# Altium PCB Fastino-DIOT.PCBDOC (part 5 of 22)
Units mm, origin at the board's own origin, x right, y up, seen from the top; angles counter-clockwise.
Board outline 222.63 x 100.1 mm, 8 copper layers (L1, L2, L3, P4, L5, L6, P7, L8), stack 1.563 mm thick; 1030 components, 787 nets, 3312 pads, 2498 vias.
Unrouted connection lines stored in the file: 424.
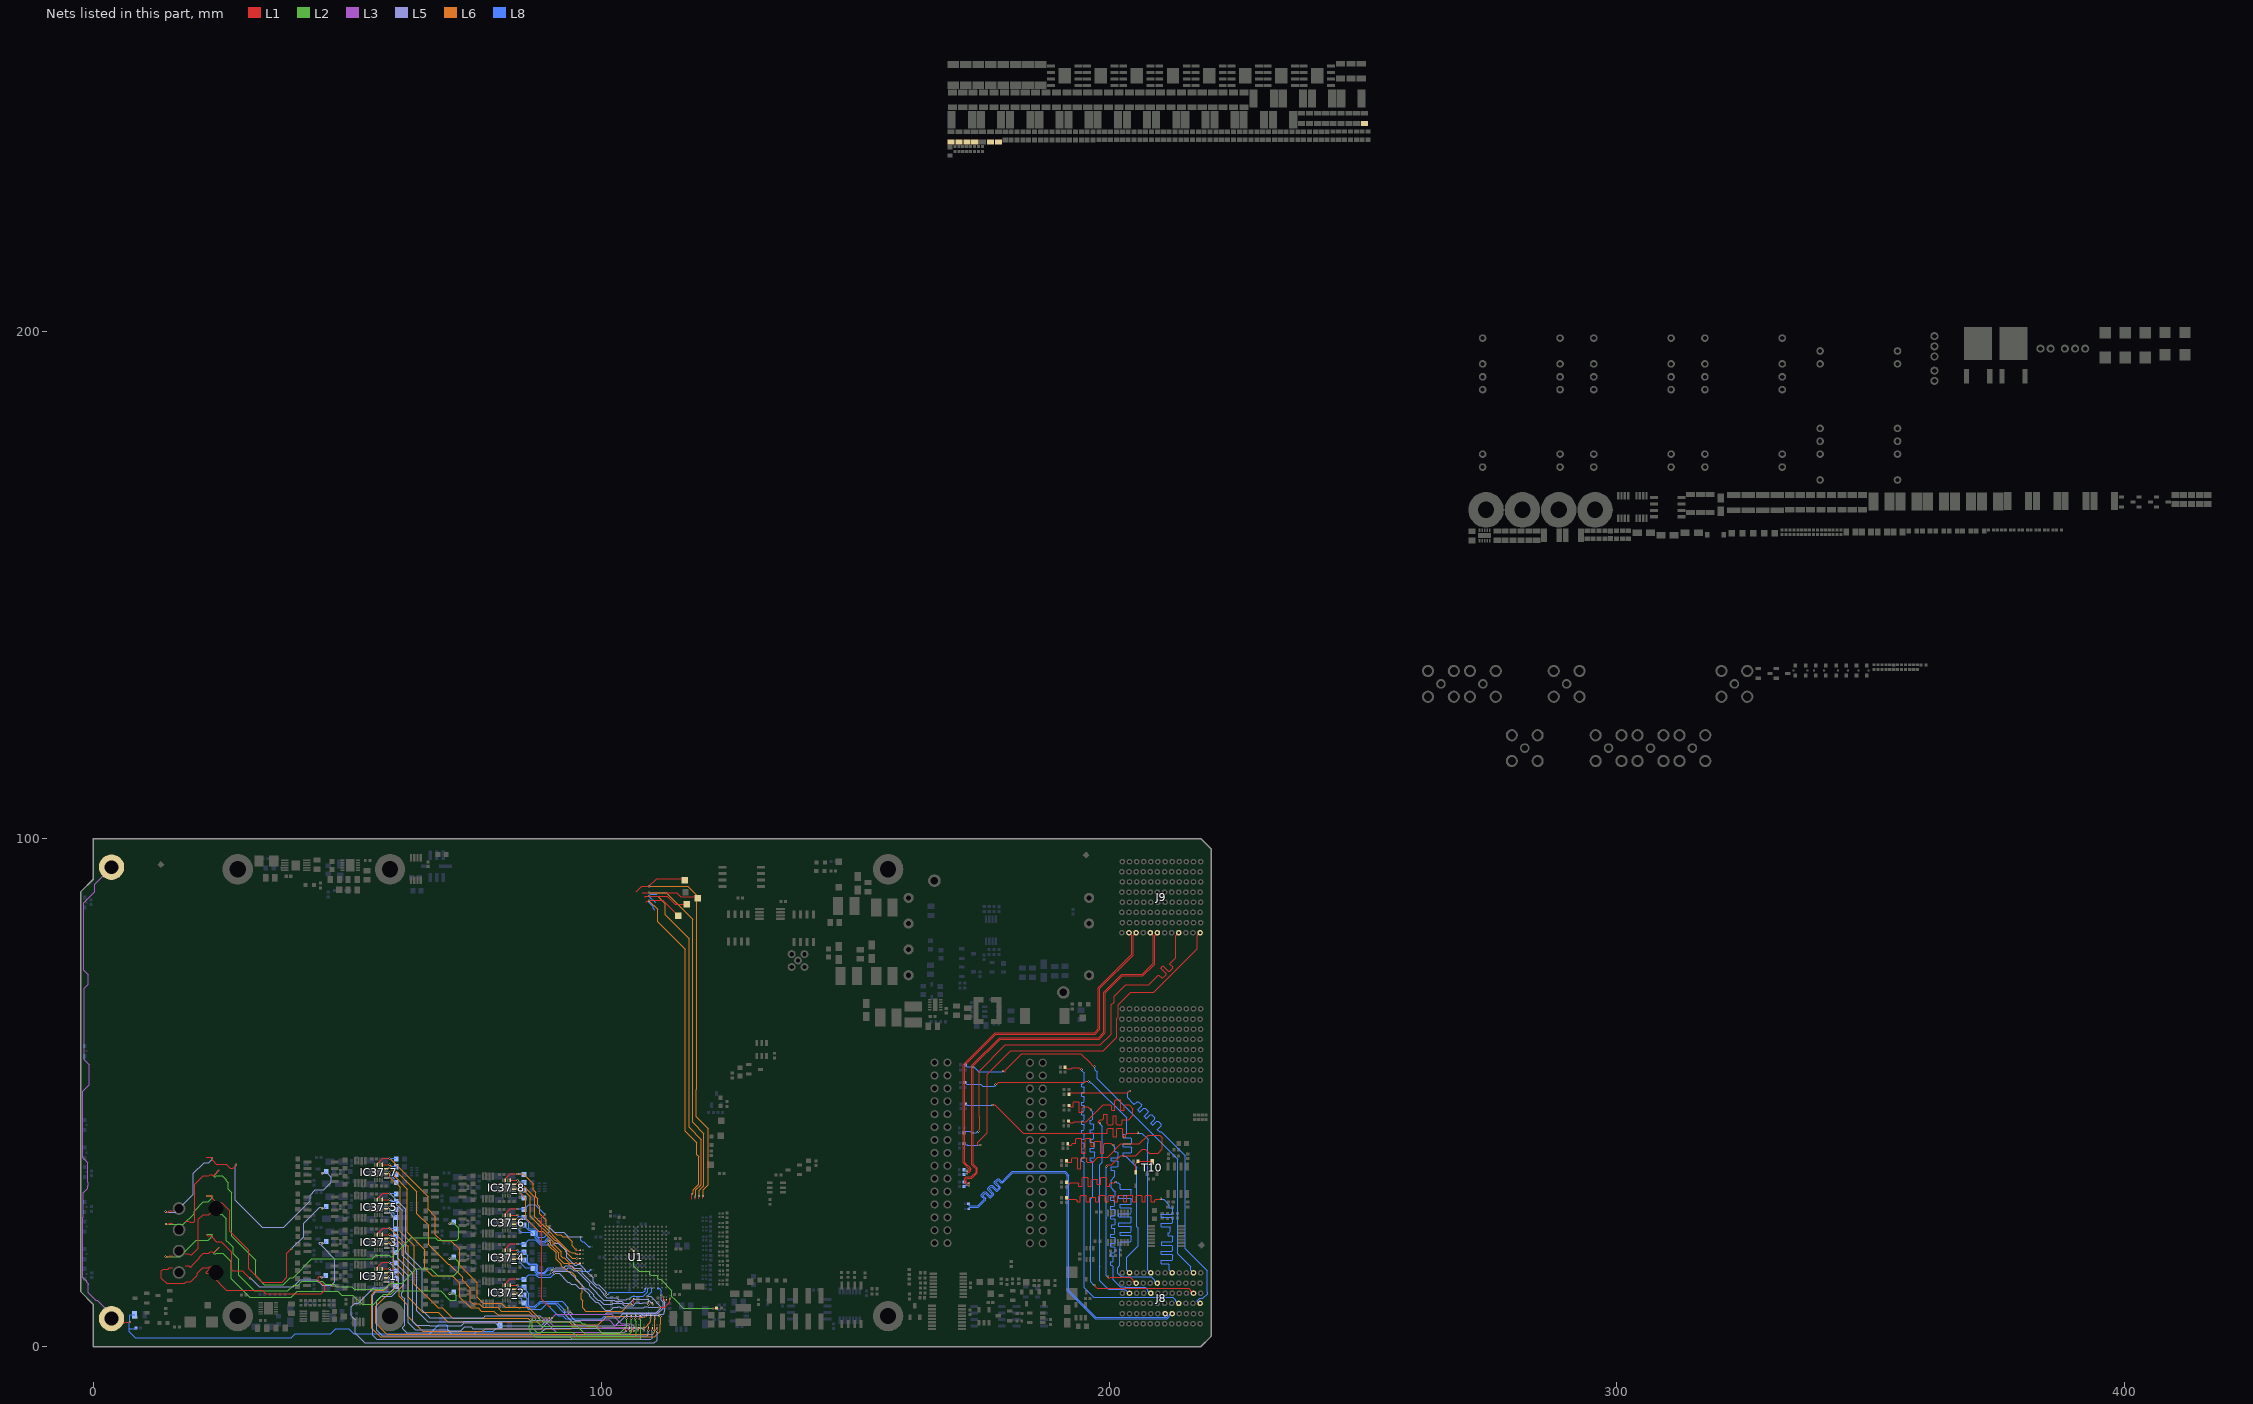
[diagram p11: the nets of this part, all layers, seen from the top]

## Via types
v1: diameter 0.4, hole 0.2, L1 to L8, tented both sides, 1919 vias
v2: diameter 0.5, hole 0.2, L1 to L8, tented both sides, 270 vias
v3: diameter 0.4, hole 0.2, L1 to L8, 170 vias
v4: diameter 0.7, hole 0.4, L1 to L8, tented both sides, 110 vias
v5: diameter 0.7, hole 0.4, L1 to L8, 29 vias

## Nets (pads, with @x,y where several pads share a name; then routed paths per layer and width w, separated by ;. In a path a pad name is that pad's centre, name@x,y a point inside that pad or via, vN(x,y) a via of type N, cw(c..) or ccw(c..) an arc to the next point about the centre after c; other vN are vias at no path point) (continued)
BP_IO.LVDS_N13: J9.K1 R265.1 | length 73.9
  L1 w0.127: v1(172.034,34.623) 172.052,34.606 172.35,34.606 172.484,34.74 ; 172.49,34.735 172.49,34.966 171.347,36.109 171.347,36.115 171.266,36.196 171.266,55.506 177.583,61.824 197.18,61.824 197.917,62.56 197.917,70.637 204.499,77.22 204.499,80.677 204.499,80.94 J9.K1@203.939,81.5
  L8 w0.127: R265.1@171.45,34.82 171.647,34.623 v1(172.034,34.623)
BP_IO.LVDS_N14: J9.H1 R266.1 | length 82
  L1 w0.127: v1(172.415,31.687) 172.363,31.739 172.176,31.739 171.631,32.284 171.631,33.14 171.92,33.43 172.876,33.43 173.812,34.366 173.812,35.012 173.386,35.439 172.994,35.831 172.994,55.38 178.446,60.833 197.942,60.833 198.984,61.874 198.984,69.788 202.525,73.33 206.578,73.33 208.699,75.451 208.699,80.703 208.699,80.94 J9.H1@208.139,81.5
  L8 w0.127: R266.1@171.47,31.5 171.47,31.52 171.76,31.81 172.066,31.81 172.218,31.81 172.341,31.687 v1(172.415,31.687)
BP_IO.LVDS_N15: J8.F2 R267.2 | length 75.5
  L8 w0.127: R267.2@172.33,28.1 172.342,28.1 172.503,27.939 172.503,27.82 172.578,27.746 174.177,27.746 175.298,28.867 175.401,28.97 175.401,29.075 174.851,29.625 174.851,29.857 175.463,30.469 175.695,30.469 176.598,29.566 177.047,30.015 176.144,30.918 176.144,31.15 176.757,31.762 176.988,31.762 177.891,30.859 178.34,31.308 177.437,32.211 177.437,32.443 178.05,33.056 178.281,33.056 178.831,32.506 178.937,32.506 179.68,33.249 180.95,34.519 191.352,34.519 192.096,33.775 192.096,22.305 ; 192.085,22.295 192.085,11.104 195.346,7.843 195.445,7.744 197.429,5.76 211.345,5.76 211.599,6.013 211.599,6.118 211.217,6.5 J8.F2@211.039,6.5
BP_IO.LVDS_P0: J8.D3 R235.1 | length 73.7
  L1 w0.127: R235.1@191.37,55 191.37,54.98 191.66,54.69 192.562,54.69 192.754,54.882 194.113,54.882 194.358,54.637 194.533,54.637 v1(194.585,54.585)
  L8 w0.127: v1(194.585,54.585) 194.637,54.533 194.637,54.358 195.083,53.912 195.083,53.188 195.083,52.012 194.845,51.774 194.661,51.774 194.661,51.139 194.99,51.139 195.154,50.975 195.154,50.109 194.99,49.945 194.661,49.945 194.661,49.31 194.99,49.31 195.154,49.147 195.154,48.28 194.99,48.116 194.661,48.116 194.661,47.481 194.99,47.481 195.154,47.318 195.154,46.451 194.99,46.288 194.661,46.288 194.661,45.653 194.99,45.653 195.154,45.489 195.154,44.623 194.99,44.459 194.661,44.459 194.661,43.824 194.99,43.824 195.154,43.66 195.154,42.794 194.99,42.63 194.661,42.63 194.661,41.995 194.99,41.995 195.154,41.831 195.154,40.965 194.99,40.801 194.661,40.801 194.661,40.166 194.99,40.166 195.154,40.003 195.154,39.136 194.99,38.972 194.661,38.972 194.661,38.337 194.99,38.337 195.154,38.174 195.154,37.307 194.99,37.144 194.661,37.144 194.661,36.509 194.845,36.509 195.083,36.271 195.083,34.67 195.083,11.617 195.3,11.4 197.021,9.679 212.602,9.679 213.178,9.103 213.178,8.882 213.56,8.5 J8.D3@213.739,8.5
BP_IO.LVDS_P1: J8.A3 R236.1 | length 71.7
  L1 w0.127: R236.1@192.12,49.7 192.12,49.72 192.41,50.01 203.607,50.01 203.862,50.265 204.037,50.265 v1(204.089,50.317)
  L8 w0.127: v1(204.089,50.317) 204.037,50.265 203.862,50.265 203.646,50.049 203.646,48.957 204.559,48.044 204.662,47.941 204.912,47.691 205.017,47.691 205.567,48.241 205.798,48.241 206.411,47.629 206.411,47.397 205.619,46.605 206.068,46.156 206.86,46.948 207.092,46.948 207.704,46.336 207.704,46.104 206.912,45.312 207.361,44.863 208.153,45.655 208.385,45.655 208.997,45.042 208.997,44.811 208.205,44.019 208.654,43.57 209.446,44.362 209.678,44.362 210.291,43.749 210.291,43.518 209.498,42.726 209.947,42.277 209.969,42.298 210.305,42.298 210.387,42.216 210.49,42.113 215.062,37.541 215.062,19.242 219.393,14.911 219.393,10.669 219.406,10.656 219.406,10.425 218.461,9.48 217.872,9.48 217.378,8.987 217.378,8.882 217.76,8.5 J8.A3@217.939,8.5
BP_IO.LVDS_P2: J8.B4 R238.1 | length 70.1
  L1 w0.127: R238.1@192.12,47.5 192.12,47.48 192.41,47.19 192.71,47.19 192.855,47.19 192.93,47.264 192.93,48.042 193.093,48.206 193.96,48.206 194.123,48.042 194.123,46.174 194.758,46.174 194.758,46.952 194.996,47.19 195.651,47.19 195.81,47.19 196.26,46.74 196.435,46.74 v1(196.488,46.688) ; v1(197.135,12.135) 197.187,12.083 197.187,11.908 197.641,11.454 202.15,11.454 202.216,11.52 215.661,11.52 216.078,11.103 216.078,10.882 216.46,10.5 J8.B4@216.639,10.5
  L8 w0.127: v1(196.488,46.688) 196.54,46.635 196.54,46.46 196.785,46.215 196.785,45.771 196.785,44.765 196.547,44.527 196.309,44.527 196.309,43.892 196.801,43.892 196.964,43.728 196.964,42.862 196.801,42.698 196.309,42.698 196.309,42.063 196.8,42.063 196.964,41.9 196.964,41.033 196.8,40.869 196.309,40.869 196.309,40.234 196.953,40.234 197.116,40.071 197.116,39.204 196.953,39.041 196.309,39.041 196.309,38.406 197.072,38.406 197.235,38.242 197.235,37.376 197.072,37.212 196.309,37.212 196.309,36.577 196.547,36.577 196.785,36.339 196.785,36.078 196.785,29.548 196.36,29.123 196.36,12.736 196.908,12.187 197.083,12.187 v1(197.135,12.135)
BP_IO.LVDS_P3: J8.K4 R239.1 | length 74.9
  L1 w0.127: R239.1@192.03,44.39 192.03,44.37 192.321,44.079 192.913,44.079 193.123,44.29 195.52,44.29 198.83,47.6 199.517,47.6 200.291,47.6 200.529,47.362 200.529,46.584 201.164,46.584 201.164,48.452 201.328,48.616 202.194,48.616 202.358,48.452 202.358,46.584 202.993,46.584 202.993,47.362 203.231,47.6 203.492,47.6 203.976,47.6 204.724,46.852 204.724,45.553 203.875,44.704 203.56,44.704 202.719,44.704 202.645,44.63 202.645,43.852 202.481,43.688 201.615,43.688 201.451,43.852 201.451,45.491 200.816,45.491 200.816,43.852 200.652,43.688 199.786,43.688 199.622,43.852 199.622,45.72 198.987,45.72 198.987,44.942 198.749,44.704 198.488,44.704 198.296,44.704 197.992,44.4 197.971,44.4 197.864,44.293 197.864,44.157 197.976,44.045 198.169,44.045 v1(198.222,43.993)
  L8 w0.127: v1(198.222,43.993) 198.274,43.941 198.274,43.774 198.636,43.411 198.636,36.288 198.128,35.78 198.128,15.822 198.2,15.75 198.2,12.995 199.798,11.398 199.955,11.241 202.945,11.241 203.04,11.146 203.214,11.146 203.86,10.5 J8.K4@204.039,10.5
BP_IO.LVDS_P4: J8.H4 R240.1 | length 73.9
  L1 w0.127: R240.1@191.87,39.95 191.87,39.93 192.16,39.64 192.534,39.64 192.908,40.014 193.036,40.014 193.406,40.014 193.481,40.088 193.481,40.866 193.644,41.03 194.511,41.03 194.674,40.866 194.674,38.042 195.309,38.042 195.309,40.866 195.473,41.03 196.34,41.03 196.503,40.866 196.503,39.453 197.138,39.453 197.138,40.235 197.302,40.399 198.168,40.399 198.332,40.235 198.332,38.042 198.967,38.042 198.967,39.776 199.205,40.014 199.466,40.014 200.377,40.014 200.622,39.769 200.797,39.769 v1(200.849,39.717)
  L8 w0.127: v1(200.849,39.717) 200.902,39.664 200.902,39.489 201.147,39.244 201.147,38.633 201.147,38.488 201.221,38.414 201.626,38.414 201.79,38.25 201.79,37.384 201.626,37.22 200.428,37.22 200.428,36.585 201.626,36.585 201.79,36.421 201.79,35.555 201.626,35.391 200.428,35.391 200.428,34.756 200.909,34.756 201.147,34.518 201.147,33.652 201.147,33.547 200.398,32.798 200.398,31.298 200.8,30.895 200.8,30.874 200.8,30.729 200.874,30.654 201.045,30.654 201.209,30.491 201.209,29.624 201.045,29.461 200.358,29.461 200.358,28.826 200.998,28.826 201.161,28.662 201.161,27.795 200.998,27.632 200.358,27.632 200.358,26.997 201.045,26.997 201.209,26.833 201.209,25.967 201.045,25.803 200.358,25.803 200.358,25.168 201.045,25.168 201.209,25.004 201.209,24.138 201.045,23.974 200.503,23.974 200.503,23.339 201.011,23.339 201.175,23.176 201.175,22.309 201.011,22.145 200.358,22.145 200.358,21.51 201.045,21.51 201.209,21.347 201.209,20.48 201.045,20.317 200.358,20.317 200.358,19.682 201.045,19.682 201.209,19.518 201.209,18.651 201.045,18.488 200.358,18.488 200.358,17.853 200.69,17.853 200.854,17.689 200.854,16.823 200.69,16.659 200.358,16.659 200.358,16.024 200.562,16.024 200.8,15.786 200.8,15.057 200.8,13.192 201.798,12.193 202.232,11.759 203.16,11.759 203.225,11.695 203.225,11.679 207.102,11.679 207.678,11.103 207.678,10.882 208.06,10.5 J8.H4@208.239,10.5
BP_IO.LVDS_P5: J8.J5 R241.1 | length 70.7
  L1 w0.127: R241.1@191.62,36.6 191.62,36.58 191.91,36.29 192.405,36.29 ; 192.406,36.29 192.55,36.29 192.625,36.364 192.625,36.981 192.788,37.145 193.655,37.145 193.819,36.981 193.819,35.069 194.454,35.069 194.454,36.981 194.617,37.145 195.484,37.145 195.647,36.981 195.647,36.364 195.722,36.29 195.871,36.29 ; 195.872,36.29 196.133,36.29 ; 196.133,36.29 196.767,36.29 197.775,37.298 199.705,37.298 202.311,39.903 205.929,39.903 207.682,41.656 209.945,41.656 210.515,41.086 210.515,38.924 209.691,38.1 207.922,38.1 207.174,38.848 206.527,38.848 205.272,37.592 202.286,37.592 200.522,35.828 199.678,35.828 199.586,35.736 199.586,35.552 v1(199.534,35.5) ; v1(199.8,13.8) 199.852,13.748 199.852,13.573 199.989,13.436 200.094,13.436 200.337,13.679 204.202,13.679 204.778,13.103 204.778,12.882 205.16,12.5 J8.J5@205.339,12.5
  L8 w0.127: v1(199.534,35.5) 199.534,35.444 199.412,35.322 199.412,25.321 199.466,25.268 199.466,13.959 199.573,13.852 199.748,13.852 v1(199.8,13.8)
BP_IO.LVDS_P6: J8.G5 R242.1 | length 74.2
  L1 w0.127: R242.1@191.62,32.35 191.62,32.33 191.91,32.04 192.249,32.04 192.499,32.29 192.811,32.29 193.827,32.29 194.065,32.052 194.065,31.544 194.7,31.544 194.7,33.142 194.864,33.306 195.73,33.306 195.894,33.142 195.894,31.544 196.529,31.544 196.529,32.818 196.692,32.982 197.559,32.982 197.722,32.818 197.722,31.95 198.357,31.95 198.357,33.142 198.521,33.306 199.388,33.306 199.551,33.142 199.551,31.544 200.186,31.544 200.186,32.052 200.424,32.29 200.685,32.29 201.11,32.29 201.234,32.414 v1(201.308,32.414)
  L8 w0.127: v1(201.308,32.414) 201.382,32.414 201.506,32.29 201.793,32.29 202.17,31.913 202.17,31.242 202.17,31.097 202.244,31.022 204.247,31.022 204.41,30.859 204.41,29.992 204.247,29.828 201.933,29.828 201.933,29.193 204.247,29.193 204.41,29.03 204.41,28.163 204.247,28 202.17,28 202.17,27.365 204.247,27.365 204.41,27.201 204.41,26.335 204.247,26.171 201.933,26.171 201.933,25.536 204.247,25.536 204.41,25.372 204.41,24.506 204.247,24.342 201.933,24.342 201.933,23.707 204.247,23.707 204.41,23.543 204.41,22.677 204.247,22.513 202.17,22.513 202.17,21.878 204.196,21.878 204.359,21.715 204.359,20.848 204.196,20.684 202.244,20.684 202.17,20.61 202.17,19.246 202.164,19.241 202.164,19.114 202.159,19.109 202.159,19.101 202.159,16.013 201.693,15.547 201.693,14.399 202.266,13.825 202.345,13.747 208.334,13.747 208.978,13.103 208.978,12.882 209.36,12.5 J8.G5@209.539,12.5
BP_IO.LVDS_P7: J8.E6 R243.1 | length 73.6
  L1 w0.127: R243.1@191.62,29.3 191.62,29.28 191.91,28.99 192.343,28.99 193.489,28.99 193.727,28.752 193.727,28.543 194.362,28.543 194.362,29.589 194.526,29.753 195.393,29.753 195.556,29.589 195.556,28.543 196.191,28.543 196.191,29.237 196.355,29.401 197.221,29.401 197.385,29.237 197.385,28.543 198.02,28.543 198.02,29.589 198.184,29.753 199.05,29.753 199.214,29.589 199.214,28.543 199.849,28.543 199.849,29.589 200.012,29.753 200.879,29.753 201.043,29.589 201.043,28.543 201.678,28.543 201.678,29.589 201.841,29.753 202.708,29.753 202.871,29.589 202.871,28.543 203.506,28.543 203.506,29.589 203.67,29.753 204.537,29.753 204.7,29.589 204.7,28.543 205.335,28.543 205.335,29.589 205.499,29.753 206.365,29.753 206.529,29.589 206.529,28.543 207.164,28.543 207.164,29.589 207.328,29.753 208.194,29.753 208.358,29.589 208.358,28.543 208.993,28.543 208.993,28.752 209.231,28.99 209.492,28.99 210.002,28.99 210.126,29.114 v1(210.2,29.114)
  L8 w0.127: v1(210.2,29.114) 210.274,29.114 210.398,28.99 210.744,28.99 211.878,27.855 211.878,27.52 211.878,27.375 211.953,27.3 212.35,27.3 212.514,27.137 212.514,26.27 212.35,26.106 210.32,26.106 210.32,25.471 212.35,25.471 212.514,25.308 212.514,24.441 212.35,24.278 210.32,24.278 210.32,23.643 211.946,23.643 212.109,23.479 212.109,22.612 211.946,22.449 211.67,22.449 211.67,21.814 212.35,21.814 212.514,21.65 212.514,20.784 212.35,20.62 210.42,20.62 210.42,19.985 212.35,19.985 212.514,19.821 212.514,18.955 212.35,18.791 210.32,18.791 210.32,18.156 212.35,18.156 212.514,17.993 212.514,17.126 212.35,16.962 210.32,16.962 210.32,16.327 211.64,16.327 211.878,16.089 211.878,15.609 211.878,15.06 J8.E6@212.439,14.5
BP_IO.LVDS_P8: J8.B6 R244.1 | length 77.6
  L1 w0.127: v1(179.146,54.251) 179.22,54.251 179.344,54.127 179.537,54.127 179.611,54.202 179.611,54.44 182.855,57.683 194.451,57.683 196.164,55.971 196.724,55.411 196.946,55.189 197.121,55.189 v1(197.173,55.136)
  L8 w0.127: R244.1@171.7,55.5 171.926,55.274 171.926,55.214 172.001,55.14 172.028,55.14 172.041,55.127 172.14,55.127 172.165,55.152 173.36,55.152 174.385,54.127 178.949,54.127 179.072,54.251 v1(179.146,54.251) ; v1(197.173,55.136) 197.225,55.084 197.225,54.753 197.31,54.669 197.31,54.457 197.663,54.104 197.663,52.756 213.512,36.906 213.512,18.328 216.078,15.761 216.078,15.06 J8.B6@216.639,14.5
BP_IO.LVDS_P9: J8.K6 R245.1 | length 75.8
  L1 w0.127: v1(177.622,51.638) 177.674,51.69 177.85,51.69 178.25,52.091 195.307,52.091 195.431,52.215 v1(195.986,52.215)
  L8 w0.127: R245.1@171.67,52 171.896,51.774 171.896,51.714 171.971,51.64 171.998,51.64 172.011,51.627 174.735,51.627 175.088,51.275 177.434,51.275 177.57,51.411 177.57,51.586 v1(177.622,51.638) ; v1(195.986,52.215) 196.06,52.215 196.292,51.983 196.545,51.983 203.478,45.049 203.478,42.723 203.478,42.038 203.24,41.8 202.83,41.8 202.83,41.165 204.331,41.165 204.494,41.001 204.494,40.134 204.331,39.971 202.83,39.971 202.83,39.336 204.331,39.336 204.494,39.172 204.494,38.306 204.331,38.142 202.83,38.142 202.83,37.507 203.24,37.507 ; 203.035,37.507 203.24,37.507 ; J8.K6@204.039,14.5 203.478,15.06 203.478,17.627 205.74,19.888 205.74,23.331 205.506,23.566 205.506,35.34 203.339,37.507 203.24,37.507
BP_IO.LVDS_P10: J8.H6 R246.1 | length 71.6
  L1 w0.127: v1(177.063,47.613) 177.521,47.613 180.36,44.775 180.459,44.676 183.148,41.986 198.984,41.986 199.604,41.986 199.678,42.061 199.678,42.839 199.842,43.002 200.708,43.002 200.872,42.839 200.872,41.35 201.507,41.35 201.507,42.839 201.671,43.002 202.537,43.002 202.701,42.839 202.701,41.35 203.336,41.35 203.336,41.748 203.574,41.986 203.835,41.986 205.588,41.986 205.664,42.062 v1(205.664,42.11)
  L8 w0.127: R246.1@171.77,47.8 171.77,47.78 172.06,47.49 176.866,47.49 176.99,47.613 v1(177.063,47.613) ; v1(205.664,42.11) 205.738,42.11 205.861,41.986 206.497,41.986 207.691,40.792 207.691,40.125 207.678,40.113 207.678,15.569 207.678,15.06 J8.H6@208.239,14.5
BP_IO.LVDS_P11: J9.D1 R247.1 | length 77.3
  L1 w0.127: v1(174.286,42.401) 174.339,42.453 174.339,42.628 174.584,42.873 174.584,45.121 174.463,45.242 174.463,54.27 179.603,59.411 198.287,59.411 200.431,61.555 200.431,67.27 201.016,67.855 201.016,69.037 203.251,71.272 207.837,71.272 209.265,72.7 209.739,73.175 209.844,73.175 210.394,72.624 210.626,72.624 211.239,73.237 211.239,73.469 210.171,74.536 210.62,74.985 211.688,73.918 211.919,73.918 212.532,74.53 212.532,74.762 211.982,75.312 211.982,75.417 212.084,75.52 213.179,76.614 213.179,80.806 213.179,80.94 J9.D1@213.739,81.5
  L8 w0.127: R247.1@171.47,42.1 171.696,42.326 171.696,42.363 171.771,42.437 171.981,42.437 171.983,42.435 ; 171.981,42.433 171.983,42.435 ; v1(174.286,42.401) 174.234,42.349 174.059,42.349 173.814,42.104 172.925,42.104 172.593,42.435 171.983,42.435
BP_IO.LVDS_P12: J9.A1 R248.1 | length 77.3
  L1 w0.127: v1(174.65,39.726) 174.577,39.726 174.453,39.602 174.26,39.602 174.118,39.744 174.118,40.195 176.047,42.124 176.047,53.67 180.67,58.293 198.907,58.293 201.549,60.935 201.549,64.643 201.778,64.872 201.778,67.31 204.241,69.774 208.833,69.774 217.379,78.319 217.379,80.107 217.379,80.94 J9.A1@217.939,81.5
  L8 w0.127: R248.1@171.47,39.98 171.742,39.708 172.098,39.708 172.116,39.69 172.244,39.69 172.257,39.677 173.305,39.677 173.38,39.602 174.453,39.602 174.577,39.726 v1(174.65,39.726)
BP_IO.LVDS_P13: J9.J1 R249.1 | length 74.5
  L1 w0.127: v1(172.034,34.096) 172.108,34.096 172.338,34.326 172.466,34.326 172.769,34.63 172.769,34.966 172.744,34.992 172.744,35.078 172.74,35.081 172.74,35.111 171.627,36.224 171.627,36.23 171.545,36.312 171.545,55.391 177.698,61.544 197.296,61.544 198.196,62.444 198.196,70.522 204.779,77.104 204.779,80.793 204.779,80.94 J9.J1@205.339,81.5
  L8 w0.127: R249.1@171.47,33.9 171.666,34.096 v1(172.034,34.096)
BP_IO.LVDS_P14: J9.G1 R250.1 | length 81.4
  L1 w0.127: v1(172.415,32.214) 172.363,32.266 172.044,32.266 171.91,32.4 171.91,33.025 172.036,33.151 172.992,33.151 174.092,34.25 174.092,35.128 173.273,35.947 173.273,55.265 178.562,60.554 198.058,60.554 199.263,61.759 199.263,69.672 202.641,73.05 206.694,73.05 208.979,75.335 208.979,80.819 208.979,80.94 J9.G1@209.539,81.5
  L8 w0.127: R250.1@171.47,32.4 171.47,32.38 171.76,32.09 171.95,32.09 172.218,32.09 172.341,32.214 v1(172.415,32.214)
BP_IO.LVDS_P15: J8.E2 R251.2 | length 76
  L8 w0.127: R251.2@172.36,27.1 172.521,27.261 172.521,27.392 172.595,27.467 174.293,27.467 175.496,28.67 175.68,28.854 175.68,29.191 175.13,29.741 175.579,30.19 176.483,29.287 176.714,29.287 177.327,29.899 177.327,30.131 176.423,31.034 176.872,31.483 177.776,30.58 178.007,30.58 178.62,31.192 178.62,31.424 177.716,32.327 178.166,32.776 178.716,32.226 179.052,32.226 179.877,33.051 181.066,34.24 191.236,34.24 191.816,33.66 191.816,22.421 ; 191.806,22.41 191.806,10.988 197.314,5.48 211.461,5.48 211.878,5.897 211.878,6.118 212.26,6.5 J8.E2@212.439,6.5
BRST_N: D3.2 R183.1 T10.3 | length 5.2
  L1 w0.127: D3.2@205.25,34.3 205.25,35.98 205.75,36.48 R183.1@205.75,36.5 208.4,36.5 T10.3@208.5,36.4
CHASSIS: B1.1 B7.1 C104.1 R230.1 R232.2 | length 183.3
  L1 w0.127: B7.1@3.556,5.512 4.388,4.68 6.172,4.68 6.314,4.822 v1(7.163,4.822)
  L3 w0.127: B7.1@3.556,5.512 3.556,6.293 0.771,9.077 0.48,9.077 -1.06,10.616 -1.06,11.768 -1.043,11.854 ccw(c-1.8,12) -1.034,12.084 ccw(c-1.248,12.059) -1.034,12.087 -1.037,12.108 ccw(c-1.25,12.081) -1.037,12.111 ccw(c-1.8,12) -1.043,12.146 -1.06,12.232 -1.06,12.396 -1.365,12.702 -1.365,12.871 -2.092,13.599 -2.092,25.435 -2.057,25.47 -2.057,30.251 -1.118,31.191 -1.118,31.611 -1.118,31.641 ccw(c-1.8,32) -1.034,32.084 ccw(c-1.248,32.059) -1.034,32.088 -1.036,32.106 ccw(c-1.25,32.081) -1.037,32.111 ccw(c-1.8,32) -1.118,32.359 -1.118,36.202 -2.134,37.218 -2.134,50.267 -0.806,51.595 -0.806,55.492 -1.829,56.516 -1.829,70.614 -1.754,70.688 -1.727,70.688 -1.016,71.399 -1.016,73.177 -1.905,74.066 -1.905,87.401 0.229,89.535 0.229,91.084 B1.1@3.556,94.412
  L8 w0.127: R230.1@8.098,6.264 7.237,6.264 7.163,6.19 7.163,4.774 7,4.611 7,3.574 7.074,3.5 ; C104.1@8.389,3.658 8.232,3.5 7.074,3.5 ; R232.2@80.05,4.25 80.05,4.025 79.613,3.588 79.338,3.588 78.75,3 75.5,3 75,2.5 70.5,2.5 69.75,3.25 69.75,4 69.5,4.25 68,4.25 66.25,2.5 51.25,2.5 50.25,3.5 47.75,3.5 46.75,2.5 39.75,2.5 39,1.75 8.25,1.75 7.074,2.926 7.074,3.5
CLK_25MHz: R169.2 U1.K9 | length 24.9
  L1 w0.127: v1@106.027,19.152 106.048,19.152 106.379,18.821 U1.K9@106.379,18.8 ; v1(122.028,7.542) 122.058,7.571 R169.2@122.722,7.571
  L2 w0.127: v1(106,19.2) 106.41,18.79 106.41,17.003 106.442,16.97 106.442,15.806 107.438,14.81 108.186,14.81 108.195,14.818 109.356,14.818 109.592,14.583 109.592,14.291 109.852,14.03 110.589,14.03 110.608,14.011 110.925,14.011 111.163,13.773 111.163,13.456 111.401,13.217 111.719,13.217 113.909,11.027 113.909,9.822 114.351,9.381 114.402,9.381 114.631,9.152 114.631,9.1 116.19,7.542 v1(122.028,7.542)
DAC_CLK1: C66_1.1 IC37_1.8 R65_1.2 | length 76.3
  L1 w0.127: IC37_1.8@57.531,14.554 57.576,14.599 v1@58.137,14.599 ; IC37_1.8@57.605,14.566 IC37_1.8@57.638,14.533 ; v1(110.058,3.124) 110.071,3.137 R65_1.2@110.071,3.67
  L5 w0.127: v1@58.344,14.681 58.344,14.58 59.157,13.767 59.157,11.384 58.568,10.795 55.626,10.795 54.966,10.135 54.966,2.235 55.804,1.397 109.779,1.397 110.058,1.676 v1(110.058,3.124)
  L8 w0.127: v1(58.293,14.681) 58.299,14.681 59.528,13.452 C66_1.1@59.605,13.452
DAC_CLK2: C66_2.1 IC37_2.8 R65_2.2 | length 40.4
  L1 w0.127: IC37_2.8@82.737,11.313 82.782,11.359 v1@83.343,11.359 ; IC37_2.8@82.81,11.325 IC37_2.8@82.843,11.292 ; v1(112.268,9.728) 112.312,9.684 112.312,9.338 112.425,9.225 R65_2.2@112.85,9.225 112.85,9.264 R65_2.2@112.788,9.326
  L5 w0.127: v1@83.448,11.415 83.524,11.415 v1(83.499,11.44) v1@83.473,11.44 ; v1(92.786,7.188) 92.838,7.136 92.838,6.337 95.12,4.055 102.791,4.055 104.686,5.95 107.991,5.95 107.991,5.953 108.22,6.182 111.291,6.182 111.427,6.318 111.867,6.318 ; 111.868,6.318 112.178,6.318 112.411,6.55 112.411,6.842 112.55,6.981 112.55,8.742 112.268,9.024 v1(112.268,9.728)
  L8 w0.127: v1(83.499,11.44) 83.504,11.44 C66_2.1@84.734,10.211 ; C66_2.1@84.785,10.135 84.785,10.11 85.466,9.429 85.466,7.901 85.726,7.641 87.044,7.641 88.052,8.648 91.326,8.648 v1(92.786,7.188)